# KiCad board cpu-blitter-inputs.kicad_pcb (continued)
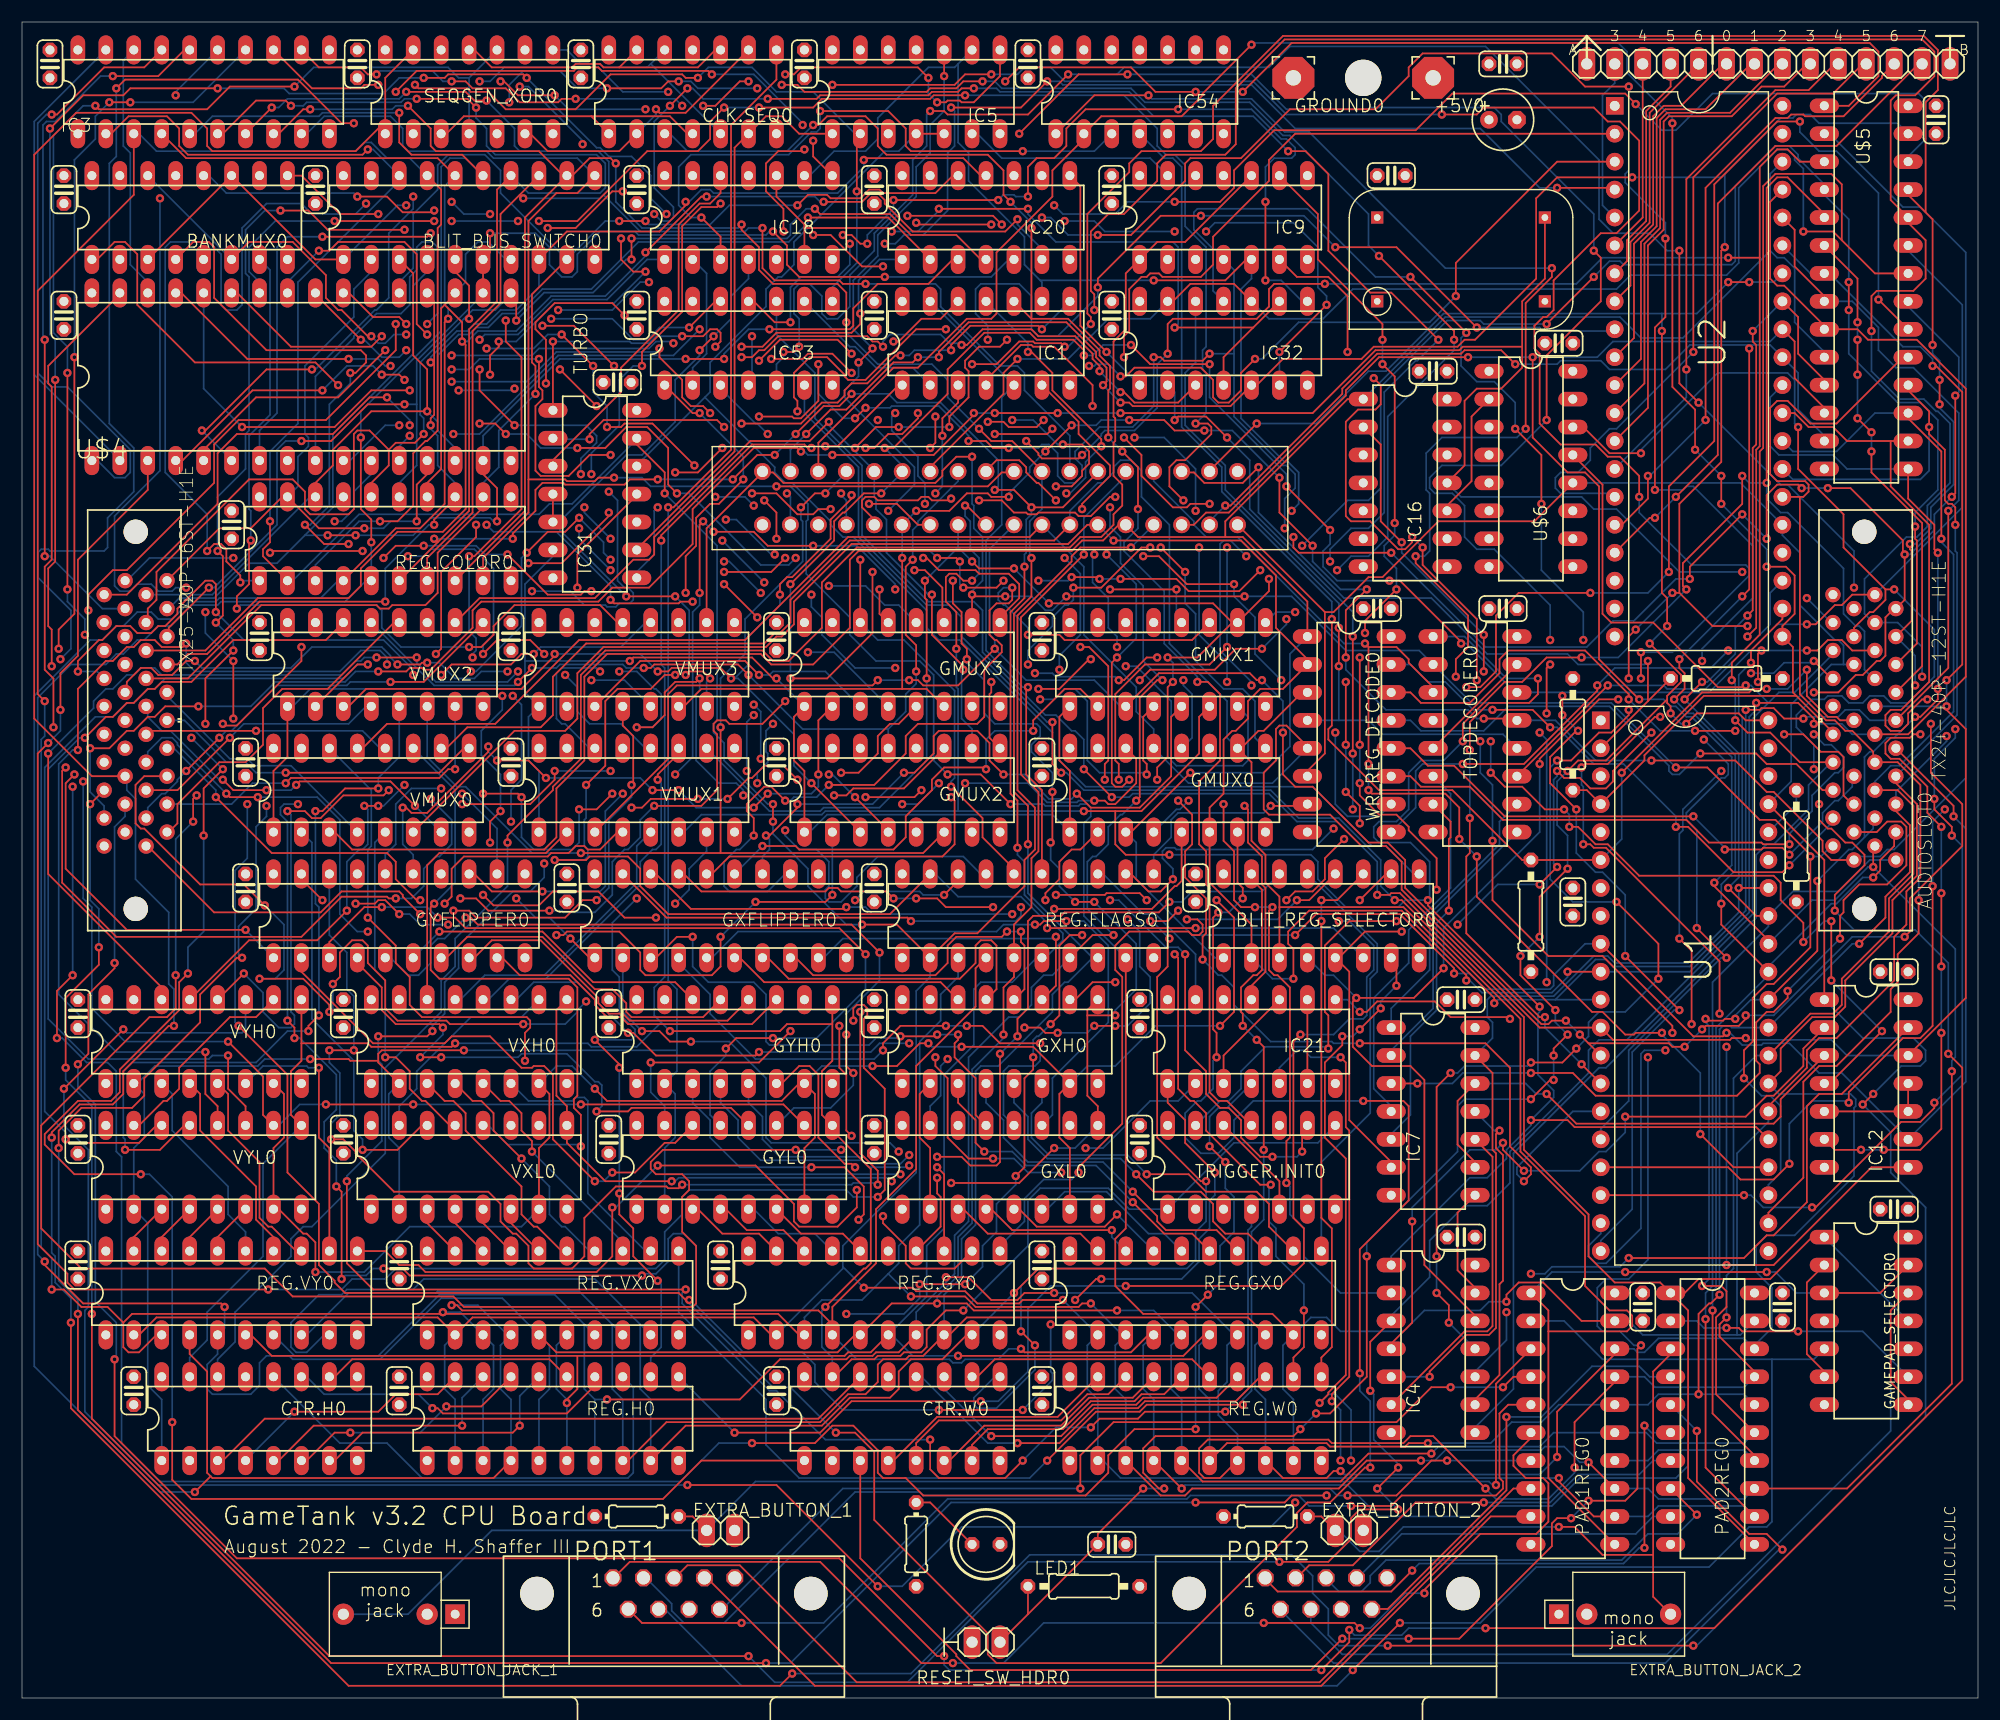
[diagram p0: board, top side]
## Routing (per net, layer and track width the routed paths; a pad name or vN(x,y) marks a point on that pad's centre or on a via; arc(x,y) is an arc through that point) (continued)
N$83: length 24.2
  Bottom w0.152: VXH0.6 46.04,54.29 50.01,54.29 50.32,54.61 51.12,54.61 51.44,54.29 51.44,45.88 56.67,40.64 REG.VX0.12
N$84: length 24.5
  Top w0.152: v1(26.99,57.31) 26.99,50.96 27.94,50.01 REG.VY0.12
  Bottom w0.152: v1(26.99,57.31) 26.03,57.31 25.88,57.47 21.91,57.47 VYH0.6
N$85: length 28.6
  Top w0.152: GXH0.11 93.98,64.77 v1(93.98,69.21)
  Bottom w0.152: v1(93.98,69.21) 93.82,69.06 74.61,69.06 72.87,67.31 GXFLIPPER0.9
N$86: length 25.1
  Bottom w0.152: TOPDECODER0.9 128.27,71.12 128.27,62.71 124.46,58.9 IC7.2
N$87: length 160.8
  Top w0.152: v1(104.3,69.06) 104.14,68.9 104.14,66.52 103.19,65.56 103.19,50.96 107.16,46.99 v1(107.63,46.99) ; v1(105.09,71.6) 104.14,70.64 v1(102.55,70.64) ; v1(90.81,33.34) v1(92.07,32.07)
  In2.Cu w0.152: v1(107,104.62) 107,106.2 106.68,106.52 v1(106.68,107.95) ; IC5.3 81.28,139.7 81.28,136.52 86.36,131.44 86.36,129.54 96.2,119.7 96.2,119.54 v1(101.12,114.62) ; v1(109.54,92.39) 109.22,92.07 109.22,86.36 109.85,85.72 109.85,79.38 105.73,75.25 105.73,74.45 105.09,73.82 v1(105.09,71.6)
  Bottom w0.152: CTR.W0.9 88.42,29.21 86.52,27.31 86.52,26.67 86.84,26.35 88.58,26.35 92.07,29.84 v1(92.07,32.07) ; v1(102.55,70.64) 102.71,70.64 v1(104.3,69.06) ; v1(106.68,107.95) 106.68,111.76 103.82,114.62 v1(101.12,114.62) ; v1(107.63,46.99) 107.63,43.34 106.68,42.39 106.68,39.85 105.89,39.05 92.39,39.05 90.81,37.47 v1(90.81,33.34) ; v1(107,104.62) 107,96.68 109.54,94.14 v1(109.54,92.39)
N$88: length 19.4
  Bottom w0.152: IC9.13 102.55,140.02 89.06,140.02 86.84,142.24 IC5.6
N$89: length 29.1
  Top w0.152: GYFLIPPER0.9 43.66,67.31 45.24,65.72 49.85,65.72 52.07,63.5 52.07,63.02 53.18,61.91 54.45,61.91 55.09,61.28 66.36,61.28 GYH0.11
N$90: length 25.1
  Bottom w0.152: TOPDECODER0.10 134.3,79.69 134.3,77.63 127.95,71.28 127.95,66.2 124.46,62.71 IC7.1
N$94: length 122
  Top w0.152: v1(90.49,60.17) 90.49,61.75 91.44,62.71 91.44,70.64 91.92,71.12 94.46,71.12 94.77,71.44 103.35,71.44 v1(104.3,72.39) ; REG.VY0.11 33.02,40.64 34.29,39.37 36.04,39.37 36.67,38.73 52.23,38.73 53.66,40.16 v1(53.66,44.61) ; v1(88.9,58.58) 88.9,48.74 88.58,48.42 86.2,48.42 85.41,49.21 v1(83.19,49.21) ; v1(57.78,48.42) 66.67,48.42 70.17,44.93 70.17,43.34 70.64,42.86 74.14,42.86 75.88,44.61 v1(75.88,46.2)
  In2.Cu w0.152: v1(83.19,49.21) 82.07,50.32 79.38,50.32 79.06,50.01 79.06,49.37 v1(75.88,46.2)
  Bottom w0.152: v1(57.78,48.42) 53.97,44.61 v1(53.66,44.61) ; v1(90.49,60.17) v1(88.9,58.58) ; v1(104.3,72.39) 105.41,72.39 106.36,73.34 112.71,73.34 BLIT_REG_SELECTOR0.14
N$96: length 39
  Bottom w0.152: BLIT_REG_SELECTOR0.13 123.19,68.58 123.19,66.04 122.56,65.41 122.56,53.18 118.11,48.74 REG.GX0.11
N$98: length 60.3
  Top w0.152: BLIT_REG_SELECTOR0.12 117,72.55 v1(115.89,72.55) ; v1(105.89,70.8) 106.84,70.8 107.31,70.33 107.31,69.69 107,69.37 106.36,69.37 106.04,69.69 100.65,69.69 99.38,68.42 99.38,66.2 100.01,65.56 100.01,52.23 96.04,48.26 v1(96.04,47.78)
  Bottom w0.152: v1(115.89,72.55) 114.14,70.8 v1(105.89,70.8) ; REG.GY0.11 88.9,41.12 91.12,43.34 91.12,45.4 92.87,47.15 95.41,47.15 v1(96.04,47.78)
N$100: length 10.2
  Top w0.152: IC7.8 130.49,44.13 130.49,38.89 132.08,37.31 IC4.13
N$101: length 29.3
  Top w0.152: v1(134.3,51.59) 133.98,51.28 133.98,50.01 134.62,49.37 134.62,37.94 134.3,37.62 134.3,29.37 132.08,27.15 IC4.9
  Bottom w0.152: IC7.11 133.83,51.59 v1(134.3,51.59)
N$102: length 45.7
  Top w0.152: IC7.12 130.49,54.29 130.49,50.32 132.08,48.74 IC7.9 ; IC12.3 159.86,54.45 159.86,52.86 159.23,52.23 141.29,52.23 v1(138.59,54.93)
  Bottom w0.152: IC7.12 136.68,55.88 137.64,54.93 v1(138.59,54.93)
N$103: length 32
  Top w0.152: U2.10 146.53,123.67 146.53,132.24 148.27,133.98 148.27,143.83 149.22,144.78 150.81,144.78 154.62,148.59 VIAPORT0.6
N$104: length 36.8
  Top w0.152: VIAPORT0.7 157.16,148.59 153.03,144.46 149.38,144.46 148.59,143.67 148.59,133.83 147.16,132.4 147.16,121.76 U2.11
N$105: length 47.2
  Top w0.152: v1(151.29,120.81) 151.29,138.11 159.38,146.21 162.4,146.21 164.78,148.59 VIAPORT0.10
  Bottom w0.152: v1(151.29,120.81) 151.29,118.27 U2.14
N$106: length 60.5
  Top w0.152: VIAPORT0.11 167.32,148.59 164.62,145.89 159.54,145.89 151.92,138.27 v1(151.92,122.4)
  Bottom w0.152: v1(151.92,122.4) 144.94,115.41 144.3,115.41 142.56,113.66 142.56,112.55 141.45,111.44 139.86,111.44 139.38,110.97 139.38,110.01 139.86,109.54 144.46,109.54 U2.15
N$107: length 56.6
  Top w0.152: v1(147.8,111.12) 147.8,109.06 145.41,106.68 U2.16 ; VIAPORT0.12 169.07,147.48 169.07,147.32 165.58,143.83 162.08,143.83 161.93,143.99 160.81,143.99 160.5,143.67 159.38,143.67 153.03,137.32 v1(153.03,116.2)
  Bottom w0.152: v1(153.03,116.2) 147.95,111.12 v1(147.8,111.12)
N$108: length 48.9
  Top w0.152: BLIT_REG_SELECTOR0.11 119.54,72.55 v1(118.11,72.55) ; v1(118.11,70.64) 118.11,43.66 119.06,42.7 119.06,31.91 118.11,30.96 REG.W0.11
  Bottom w0.152: v1(118.11,72.55) v1(118.11,70.64)
N$109: length 59.7
  Top w0.152: v1(150.34,109.22) 154.15,113.03 154.15,135.89 159.38,141.13 164.94,141.13 172.4,148.59 VIAPORT0.13 ; v1(148.43,107.31) 147.95,107.31 U2.17
  Bottom w0.152: v1(148.43,107.31) v1(150.34,109.22)
N$110: length 41.6
  Top w0.152: U2.12 147.48,119.54 147.48,132.24 148.91,133.67 148.91,143.51 149.54,144.14 155.26,144.14 159.7,148.59 VIAPORT0.8
N$111: length 114.1
  Top w0.152: v1(87.15,26.99) 75.41,26.99 72.55,24.13 v1(64.77,24.13) ; v1(121.6,72.55) 123.98,74.93 BLIT_REG_SELECTOR0.10 ; v1(116.2,60.32) 115.57,59.69 115.57,43.66 116.52,42.7 116.52,39.53 114.46,37.47 v1(100.33,37.47)
  In1.Cu w0.152: v1(121.6,72.55) v1(119.7,70.64)
  Bottom w0.152: v1(87.15,26.99) 88.74,26.99 91.44,29.69 91.44,35.4 93.5,37.47 v1(100.33,37.47) ; v1(64.77,24.13) REG.H0.11 ; v1(119.7,70.64) 120.65,70.64 122.87,68.42 122.87,66.2 122.24,65.56 122.24,62.07 121.92,61.75 120.65,61.75 119.22,60.32 v1(116.2,60.32)
N$112: length 46.4
  Top w0.152: VIAPORT0.9 162.24,148.59 160.18,146.53 158.12,146.53 155.42,143.83 149.7,143.83 149.22,143.35 149.22,133.51 147.8,132.08 147.8,117.32 U2.13
N$113: length 4.9
  Top w0.152: REG.VY0.19 10.16,41.91 VYL0.3
N$114: length 4.9
  Top w0.152: VYL0.4 12.7,41.91 REG.VY0.18
N$115: length 4.9
  Top w0.152: VYL0.5 15.24,41.91 REG.VY0.17
N$116: length 4.9
  Top w0.152: VYL0.6 17.78,41.91 REG.VY0.16
N$117: length 21.4
  Top w0.152: REG.VX0.15 49.05,40.64 46.83,42.86 46.51,42.86 45.4,43.97 45.4,46.51 40.32,51.59 40.32,53.18 39.21,54.29 38.42,54.29 VXH0.3
N$118: length 21.4
  Top w0.152: v1(45.4,49.05) 42.86,51.59 42.86,53.18 41.75,54.29 40.96,54.29 VXH0.4
  Bottom w0.152: REG.VX0.14 51.59,40.64 49.37,42.86 49.05,42.86 47.94,43.97 47.94,46.51 v1(45.4,49.05)
N$119: length 21
  Top w0.152: v1(46.36,49.69) 46.36,50.64 45.4,51.59 45.4,53.18 44.29,54.29 43.5,54.29 VXH0.5
  Bottom w0.152: v1(46.36,49.69) 54.61,41.43 REG.VX0.13
N$120: length 14.9
  Bottom w0.152: VIAPORT0.2 144.78,146.84 143.67,145.73 143.67,135.73 U2.5
N$121: length 4.9
  Top w0.152: REG.VX0.19 36.83,43.18 VXL0.3
N$122: length 4.9
  Top w0.152: VXL0.4 39.37,43.18 REG.VX0.18
N$123: length 4.9
  Top w0.152: REG.VX0.17 41.91,43.18 VXL0.5
N$124: length 4.9
  Top w0.152: VXL0.6 44.45,43.18 REG.VX0.16
N$125: length 293.4
  Top w0.152: v1(117.95,26.83) 118.75,27.62 118.75,27.78 120.33,29.37 120.33,49.05 118.43,50.96 118.43,57.78 120.01,59.37 v1(120.01,60.17) ; BLIT_REG_SELECTOR0.7 124.94,66.83 v1(124.94,64.77) ; v1(20,67.31) 19.53,67.31 16.19,63.98 16.19,61.44 11.11,56.36 11.11,54.77 10,53.66 5.4,53.66 3.33,51.59 v1(3.33,50.01) ; v1(5.08,34.92) 5.08,26.19 28.1,3.17 v1(67.63,3.17) ; v1(41.27,106.68) 41.27,105.57 38.1,102.39 38.1,95.41 v1(37.62,94.93) ; v1(123.51,62.71) v1(121.6,60.8) ; v1(106.68,17.78) 114.78,17.78 115.41,18.41 v1(118.59,18.41)
  In1.Cu w0.152: v1(37.62,94.93) 37.62,93.98 34.77,91.12 33.97,91.12 24.13,81.28 22.38,81.28 v1(22.22,81.12)
  In2.Cu w0.152: v1(120.81,21.59) 120.81,20.64 v1(118.59,18.41) ; v1(41.27,106.68) 43.81,109.22 REG.COLOR0.11
  Bottom w0.152: v1(123.51,62.71) 123.51,63.34 v1(124.94,64.77) ; v1(106.68,17.78) 84.45,17.78 69.85,3.17 v1(67.63,3.17) ; v1(22.22,81.12) 22.22,80.17 21.27,79.22 21.27,71.75 19.69,70.17 19.69,67.63 v1(20,67.31) ; v1(5.08,34.92) 5.08,36.19 3.33,37.94 v1(3.33,50.01) ; v1(121.6,60.8) 120.97,60.17 v1(120.01,60.17) ; v1(120.81,21.59) 120.81,26.19 119.38,27.62 118.75,27.62 v1(117.95,26.83)
N$126: length 17.6
  Top w0.152: U2.6 147.32,134.62 VIAPORT0.3
N$127: length 21.2
  Top w0.152: VIAPORT0.4 149.86,146.53 147.64,144.3 147.64,134.3 145.89,132.56 145.89,130.65 U2.7
N$128: length 24.7
  Top w0.152: U2.8 146.21,128.43 146.21,132.4 147.95,134.14 147.95,144.14 VIAPORT0.5
N$129: length 227.2
  Top w0.152: v1(167.16,49.85) 164.78,49.85 IC12.6 ; v1(169.23,49.85) 172.56,49.85 174.47,51.75 v1(174.47,60.48) ; v1(69.22,122.4) 70.17,122.4 v1(70.64,122.87) ; v1(174.47,79.22) 173.2,80.49 173.2,82.87 170.66,85.41 169.86,85.41 169.39,85.88 169.39,86.84 169.86,87.31 171.61,87.31 171.93,87.63 v1(172.56,87.63) ; v1(150.65,131.6) 150.65,119.54 v1(152.4,117.79) ; v1(174.47,66.52) v1(174.47,73.18) ; v1(82.55,144.3) 83.82,144.3 84.14,143.99 91.44,143.99 v1(95.09,147.64)
  In1.Cu w0.152: v1(172.56,87.63) 171.45,88.74 171.45,89.06 169.39,91.12 169.39,98.11 v1(166.53,100.96)
  Bottom w0.152: v1(70.64,122.87) 70.64,125.41 70.17,125.89 70.17,128.11 70.64,128.59 71.6,128.59 72.71,127.48 72.71,125.89 73.18,125.41 74.14,125.41 75.25,126.52 75.25,129.38 77.47,131.6 77.47,133.19 80.96,136.68 80.96,139.86 82.23,141.13 82.23,143.99 v1(82.55,144.3) ; v1(174.47,73.18) v1(174.47,79.22) ; v1(167.16,49.85) v1(169.23,49.85) ; v1(166.53,100.96) 166.53,104.3 160.5,110.33 159.86,110.33 v1(152.4,117.79) ; v1(95.09,147.64) 99.54,147.64 100.17,148.27 113.35,148.27 115.25,150.18 133.03,150.18 143.35,139.86 143.35,134.46 144.62,133.19 147.95,133.19 149.54,131.6 v1(150.65,131.6) ; v1(174.47,60.48) v1(174.47,66.52) ; v1(69.22,122.4) 69.22,121.92 68.58,121.28 IC53.5
N$130: length 6.7
  Top w0.152: LED1.A 82.55,17.78 R16.2
N$131: length 11.5
  Top w0.152: GAMEPAD_SELECTOR0.8 171.45,27.15 169.86,28.73 169.86,35.24 GAMEPAD_SELECTOR0.12
N$132: length 93.8
  Top w0.152: v1(161.45,33.34) 156.37,33.34 156.05,33.66 v1(154.94,33.66)
  Bottom w0.152: 169.86,30.8 167.32,33.34 v1(161.45,33.34) ; 169.86,30.8 GAMEPAD_SELECTOR0.9 ; 169.86,30.8 169.86,24.29 149.54,3.97 120.01,3.97 117.16,6.83 PORT2.7 ; v1(154.94,33.66) 152.88,33.66 152.24,34.29 PAD2REG0.2
N$133: length 11.5
  Top w0.152: GAMEPAD_SELECTOR0.2 162.24,37.78 162.24,31.27 163.83,29.69 GAMEPAD_SELECTOR0.6
N$134: length 153.6
  Top w0.152: v1(125.25,6.83) v1(120.97,2.54)
  Bottom w0.152: 159.07,30.8 143.67,30.8 140.18,34.29 PAD1REG0.2 ; 159.07,30.8 162.88,30.8 GAMEPAD_SELECTOR0.5 ; 159.07,30.8 159.07,16.03 158.59,15.56 157,15.56 153.35,11.91 137.64,11.91 132.56,6.83 v1(125.25,6.83) ; PORT1.7 57.94,7.94 58.58,7.94 65.41,1.11 119.54,1.11 v1(120.97,2.54)
N$135: length 84.4
  Top w0.152: v1(134.62,28.26) 135.57,29.21 PAD1REG0.4 ; v1(129.86,28.26) 128.11,28.26 124.94,25.08 99.22,25.08 96.2,22.07 v1(96.2,19.05)
  Bottom w0.152: PORT1.9 63.5,7.94 74.61,19.05 v1(96.2,19.05) ; v1(129.86,28.26) v1(134.62,28.26)
N$136: length 96
  Top w0.152: v1(65.41,6.83) 56.36,6.83 55.25,7.94 PORT1.6 ; PAD1REG0.5 135.1,26.67 134.3,25.88 134.3,20 134.62,19.69 134.62,19.05 133.98,18.41 125.41,18.41 124.46,17.46 v1(120.81,17.46)
  Bottom w0.152: v1(65.41,6.83) 72.87,6.83 84.14,18.1 105.89,18.1 106.2,18.41 116.05,18.41 117,17.46 v1(120.81,17.46)
N$137: length 106.3
  Top w0.152: v1(112.87,6.83) 121.13,6.83 v1(121.6,6.35) ; PORT1.1 53.82,10.95 55.25,12.38 72.55,12.38 81.76,3.17 v1(84.61,3.17) ; PAD1REG0.6 137.16,23.65 135.57,22.07 135.57,21.11 136.68,20 138.27,20 138.75,19.53 138.75,16.03 137.64,14.92 132.56,14.92 127.48,9.84 v1(127.48,9.53)
  Bottom w0.152: v1(112.87,6.83) 92.87,6.83 89.22,3.17 v1(84.61,3.17) ; v1(121.6,6.35) 122.56,6.35 125.73,9.53 v1(127.48,9.53)
N$138: length 89.7
  Top w0.152: v1(120.49,18.41) 124.94,18.41 128.11,21.59 v1(129.54,21.59)
  Bottom w0.152: v1(129.54,21.59) PAD1REG0.7 ; PORT1.2 56.52,10.79 56.83,10.79 59.05,8.57 59.05,7.94 60.17,6.83 63.82,6.83 75.72,18.73 81.6,18.73 81.91,18.41 105.73,18.41 106.36,19.05 118.9,19.05 119.54,18.41 v1(120.49,18.41)
N$139: length 90.1
  Top w0.152: PAD1REG0.8 135.57,19.05 117.95,1.43 75.88,1.43 65.25,12.06 60.48,12.06 59.37,10.95 PORT1.3
N$140: length 85.6
  Top w0.152: PORT1.4 62.07,10.79 62.39,10.79 72.07,1.11 118.11,1.11 133.51,16.51 PAD1REG0.9
N$141: length 50.4
  Top w0.152: v1(126.37,11.59) 124.46,9.68 114.14,9.68 113.03,10.79 PORT2.1 ; v1(147.48,13.65) v1(147.48,24.76)
  Bottom w0.152: v1(147.48,24.76) 148.11,24.13 PAD2REG0.6 ; v1(126.37,11.59) 127,12.22 145.57,12.22 147,13.65 v1(147.48,13.65)
N$142: length 38.5
  Top w0.152: PORT2.2 115.89,10.95 117,12.06 120.97,12.06 126.68,17.78 v1(132.87,17.78)
  Bottom w0.152: v1(132.87,17.78) 138.91,17.78 141.45,20.32 147,20.32 148.27,21.59 PAD2REG0.7
N$143: length 40.9
  Top w0.152: v1(152.24,16.67) PAD2REG0.8
  Bottom w0.152: v1(152.24,16.67) 150.5,14.92 147.8,14.92 145.41,12.54 123.98,12.54 122.56,11.11 122.56,10.48 121.76,9.68 119.7,9.68 118.59,10.79 PORT2.3
N$144: length 30.9
  Bottom w0.152: PAD2REG0.9 148.27,16.51 146.69,14.92 125.41,14.92 121.44,10.95 PORT2.4
N$145: length 40.6
  Top w0.152: v1(134.94,25.56) 134.94,18.89 124.14,8.1 122.71,8.1 PORT2.9
  Bottom w0.152: v1(134.94,25.56) 138.11,25.56 142.72,30.16 147,30.16 147.95,29.21 PAD2REG0.4
N$146: length 70.3
  Top w0.152: v1(160.02,13.49) 158.59,14.92 157,14.92 152.24,19.69 v1(152.24,24.29)
  Bottom w0.152: PORT2.6 114.46,7.94 119.22,3.17 149.38,3.17 159.7,13.49 v1(160.02,13.49) ; v1(152.24,24.29) PAD2REG0.5
N$147: length 126.7
  Top w0.152: R7.2 60.96,16.51 EXTRA_BUTTON_1.1 ; PAD1REG0.3 133.98,28.57 v1(133.98,19.37)
  Bottom w0.152: v1(133.98,19.37) 133.67,19.37 133.35,19.69 66.67,19.69 EXTRA_BUTTON_1.1 42.7,15.24 35.08,7.62 EXTRA_BUTTON_JACK_1.WAV
N$148: length 60.2
  Top w0.152: EXTRA_BUTTON_2.1 118.11,16.51 R6.2 ; 148.27,13.02 148.27,29.69 149.86,31.27 PAD2REG0.3 ; 148.27,13.02 148.27,9.21 EXTRA_BUTTON_JACK_2.WAV ; 148.27,13.02 143.67,13.02 141.13,15.56 v1(139.7,15.56)
  Bottom w0.152: v1(139.7,15.56) 125.57,15.56 123.35,13.34 121.6,13.34 119.7,15.24 EXTRA_BUTTON_2.1
N$149: length 60.1
  Top w0.152: IC12.13 165.42,54.93 163.35,54.93 162.24,53.82 162.24,45.09 159.23,42.07 158.59,42.07 156.53,40 v1(146.05,40)
  In2.Cu w0.152: v1(134.94,35.08) 135.89,36.04 135.89,37.31 v1(137.16,38.58)
  Bottom w0.152: v1(137.16,38.58) 138.43,38.58 139.06,39.21 145.26,39.21 v1(146.05,40) ; v1(134.94,35.08) 134.94,32.54 132.08,29.69 IC4.10
N$150: length 34.6
  Top w0.152: v1(102.23,47.62) 106.04,47.62 107.63,46.04 112.24,46.04 113.35,44.93 113.35,42.86 REG.GX0.12
  Bottom w0.152: v1(102.23,47.62) 100.49,49.37 93.34,49.37 91.76,50.96 91.76,53.18 92.71,54.13 GXH0.6
N$151: length 32.5
  Top w0.152: v1(75.72,48.26) 75.41,48.58 74.77,48.58 72.39,50.96 72.39,56.67 71.6,57.47 70.64,57.47 69.06,55.88 GYH0.6 ; v1(78.26,43.81) 78.26,43.18 80.33,41.12 80.33,39.53 80.8,39.05 84.77,39.05 REG.GY0.12
  In1.Cu w0.152: v1(78.26,43.81) 77.15,44.93 77.15,45.88 75.72,47.31 v1(75.72,48.26)
N$152: length 166.8
  Top w0.152: v1(135.73,115.41) 138.11,113.03 v1(138.11,108.58) ; v1(128.59,36.83) 129.7,35.72 v1(129.7,34.13) ; v1(146.05,89.85) 146.05,89.38 144.46,87.79 143.35,87.79 140.81,85.25 v1(139.54,85.25) ; v1(129.86,56.83) 128.59,55.56 v1(128.59,40.16) ; v1(144.94,72.39) 148.75,68.58 v1(148.75,65.41) ; v1(137.16,57.78) 140.02,57.78 v1(141.29,59.05) ; v1(126.21,129.22) v1(131.29,124.14)
  In2.Cu w0.152: v1(141.92,96.2) 144.78,93.34 144.78,91.76 144.46,91.44 144.46,90.49 144.78,90.17 145.73,90.17 v1(146.05,89.85)
  Bottom w0.152: v1(126.21,129.22) 123.03,129.22 116.84,135.41 106.84,135.41 106.52,135.1 106.52,133.51 108.27,131.76 108.27,127.95 IC32.11 ; v1(148.75,65.41) 145.73,62.39 143.35,62.39 142.4,61.44 142.4,60.17 v1(141.29,59.05) ; v1(129.7,34.13) IC4.11 ; v1(135.73,115.41) 135.73,117.79 133.83,119.7 132.24,119.7 130.81,121.13 130.81,123.67 v1(131.29,124.14) ; v1(141.92,96.2) 141.92,98.74 138.11,102.55 v1(138.11,108.58) ; v1(128.59,40.16) v1(128.59,36.83) ; v1(137.16,57.78) 136.84,57.47 131.13,57.47 130.49,56.83 v1(129.86,56.83) ; v1(144.94,72.39) 140.97,72.39 138.91,74.45 138.91,84.61 v1(139.54,85.25)
N$153: length 10.2
  Top w0.152: IC12.11 IC12.10 IC12.5
N$154: length 96.7
  Top w0.152: v1(132.87,96.68) v1(132.87,93.34) ; IC12.4 164.31,55.88 v1(169.07,60.64) ; v1(140.65,79.22) 141.45,79.22 143.03,77.63 144.15,77.63 147,74.77 159.23,74.77 159.86,74.14 159.86,72.55 161.93,70.48 v1(161.93,68.74) ; IC16.2 123.51,113.98 123.51,107 v1(125.41,105.09) ; v1(164.47,70.64) v1(164.47,65.25) ; v1(133.51,84.14) 134.78,82.87 136.37,82.87 138.43,80.8 v1(140.18,80.8)
  In1.Cu w0.152: v1(132.87,93.34) 134.3,91.92 134.3,89.53 133.51,88.74 v1(133.51,86.99)
  Bottom w0.152: v1(132.87,96.68) 125.41,104.14 v1(125.41,105.09) ; v1(140.18,80.8) 140.65,80.33 v1(140.65,79.22) ; v1(164.47,65.25) v1(169.07,60.64) ; v1(164.47,70.64) 163.83,70.64 v1(161.93,68.74) ; v1(133.51,86.99) v1(133.51,84.14)
N$160: length 31.1
  Top w0.152: VXL0.13 38.89,52.07 36.67,54.29 36.35,54.29 35.24,55.4 35.24,56.99 33.97,58.26 v1(33.02,58.26)
  Bottom w0.152: v1(33.02,58.26) 33.02,65.25 32.07,66.2 32.07,77.79 VMUX0.5
N$161: length 61.2
  Top w0.152: v1(37.47,72.23) 37.15,71.91 37.15,66.2 37.94,65.41 49.69,65.41 50.48,64.61 50.48,54.77 50.16,54.45 50.16,53.66 50.8,53.02 v1(50.8,50.16)
  Bottom w0.152: VXL0.12 42.39,52.07 44.13,50.32 50.64,50.32 v1(50.8,50.16) ; v1(37.47,72.23) 39.37,74.14 39.37,82.55 VMUX0.11
N$162: length 48.4
  Top w0.152: v1(45.72,57.94) 45.72,60.48 46.2,60.96 46.2,61.59 45.88,61.91 36.35,61.91 35.24,63.02 35.24,65.56 33.97,66.83 33.97,68.42 v1(31.43,70.96)
  In1.Cu w0.152: VXL0.11 44.45,54.61 45.72,55.88 v1(45.72,57.94)
  Bottom w0.152: VMUX0.14 31.75,82.55 31.75,77.47 31.43,77.15 v1(31.43,70.96)
N$163: length 26.2
  Top w0.152: VXH0.14 36.83,75.72 37.94,76.83 47.62,76.83 VMUX1.2
N$164: length 26
  Bottom w0.152: VMUX1.5 55.88,77.47 55.88,74.14 47.47,65.72 42.07,65.72 39.85,63.5 VXH0.13
N$165: length 32.9
  Top w0.152: VMUX1.11 59.69,85.88 57.78,83.98 v1(57.78,83.5)
  Bottom w0.152: VXH0.12 42.39,63.5 44.29,65.41 47.62,65.41 56.2,73.98 56.2,76.04 57.31,77.15 57.63,77.15 58.1,77.63 58.1,83.18 v1(57.78,83.5)
N$167: length 67.7
  Top w0.152: v1(26.99,62.07) 26.03,61.12 v1(26.03,60.64) ; VYL0.13 14.76,52.07 12.54,49.85 v1(9.37,49.85) ; v1(26.67,80.64) 27.3,80.64 29.37,82.71 v1(32.38,82.71)
  Bottom w0.152: v1(32.38,82.71) 32.38,83.66 34.29,85.57 VMUX2.5 ; v1(26.99,62.07) 26.99,71.91 26.67,72.23 v1(26.67,80.64) ; v1(9.37,49.85) 9.37,50.8 9.21,50.96 9.21,56.99 10,57.78 21.27,57.78 24.13,60.64 v1(26.03,60.64)
N$168: length 90.8
  Top w0.152: v1(5.08,86.2) 5.08,91.76 7.62,94.3 8.25,94.3 9.52,95.57 10.16,95.57 10.8,96.2 12.06,96.2 12.7,95.57 14.61,95.57 v1(14.92,95.88) ; v1(16.67,58.74) 16.67,54.93 17.78,53.82 VYL0.12
  In1.Cu w0.152: v1(33.18,93.98) 36.83,97.63 VMUX2.11
  Bottom w0.152: v1(5.08,86.2) 4.6,86.2 3.33,84.93 3.33,63.98 8.57,58.74 v1(16.67,58.74) ; v1(14.92,95.88) 14.92,94.14 15.72,93.34 28.89,93.34 30.8,95.25 32.54,95.25 33.18,94.61 v1(33.18,93.98)
N$169: length 80.1
  Top w0.152: VYL0.11 20.32,53.82 18.73,55.4 v1(18.73,58.42) ; v1(5.72,87.31) 7.62,89.22 8.25,89.22 9.52,90.49 10.16,90.49 11.43,91.76 12.06,91.76 12.7,92.39 15.4,92.39 19.21,96.2 27.62,96.2 VMUX2.14
  Bottom w0.152: v1(5.72,87.31) 5.24,87.31 2.38,84.45 2.38,61.75 6.03,58.1 16.99,58.1 17.3,58.42 v1(18.73,58.42)
N$170: length 81.2
  Top w0.152: v1(35.88,94.61) v1(32.23,94.61) ; v1(2.38,85.88) 2.38,74.93 12.7,64.61 VYH0.14
  In1.Cu w0.152: v1(45.08,93.34) 45.72,93.34 48.89,90.17 VMUX3.2
  Bottom w0.152: v1(2.38,85.88) 6.51,90.01 6.51,90.65 7.62,91.76 8.25,91.76 9.52,93.03 10.16,93.03 10.8,93.66 12.06,93.66 12.7,93.03 29.05,93.03 30.32,94.3 30.8,94.3 31.11,94.61 v1(32.23,94.61) ; v1(45.08,93.34) 44.13,92.39 37.62,92.39 35.88,94.14 v1(35.88,94.61)
N$171: length 60
  Top w0.152: v1(32.38,81.12) v1(31.11,81.12) ; VYH0.13 20.64,68.9 26.83,68.9 v1(29.53,71.6)
  In2.Cu w0.152: v1(34.77,83.03) 36.04,83.03 41.75,88.74 43.97,88.74 47.62,92.39 51.59,92.39 v1(51.75,92.55)
  Bottom w0.152: v1(34.77,83.03) 32.86,81.12 v1(32.38,81.12) ; VMUX3.5 54.77,92.55 v1(51.75,92.55) ; v1(31.11,81.12) 31.43,80.8 31.43,77.63 30.96,77.15 30.64,77.15 29.53,76.04 v1(29.53,71.6)
N$172: length 88.4
  Top w0.152: v1(45.88,104.14) 47.78,106.04 49.37,106.04 v1(50.64,107.31) ; v1(20.16,65.88) VYH0.12 ; v1(33.34,82.55) 32.86,82.07 29.21,82.07 27.15,80.01 26.35,80.01 25.72,80.64 v1(24.13,80.64)
  In1.Cu w0.152: VMUX3.11 58.58,97.79 54.93,101.44 54.93,102.08 v1(53.5,103.5)
  In2.Cu w0.152: v1(33.34,82.55) 37.15,86.36 37.15,89.22 40.8,92.87 v1(40.8,93.34)
  Bottom w0.152: v1(40.8,93.34) 41.27,93.34 45.4,97.47 45.4,103.66 v1(45.88,104.14) ; v1(20.16,65.88) 21.91,64.13 21.91,62.39 23.34,60.96 24.45,60.96 24.77,61.28 24.77,62.07 24.45,62.39 24.45,80.33 v1(24.13,80.64) ; v1(53.5,103.5) 52.86,104.14 52.86,105.09 v1(50.64,107.31)
N$173: length 50.1
  Top w0.152: GXFLIPPER0.19 58.58,70.96 80.49,70.96 v1(80.8,70.64) ; GMUX0.2 96.2,77.15 95.41,77.15 94.3,76.04 94.3,74.45 93.03,73.18 v1(93.03,72.55)
  In1.Cu w0.152: v1(90.81,71.91) 92.39,71.91 v1(93.03,72.55)
  Bottom w0.152: v1(80.8,70.64) 90.33,70.64 90.81,71.12 v1(90.81,71.91)
N$174: length 55.6
  Top w0.152: GMUX0.5 105.41,74.29 104.93,73.82 104.78,73.82 102.71,71.75 v1(93.82,71.75) ; GXFLIPPER0.18 57.63,74.93 60.8,71.75 74.77,71.75 v1(74.93,71.91)
  In1.Cu w0.152: v1(90.01,71.28) 93.34,71.28 v1(93.82,71.75)
  Bottom w0.152: v1(74.93,71.91) 76.68,71.91 77.31,71.28 v1(90.01,71.28)
N$175: length 61.2
  Top w0.152: v1(79.22,72.71) 78.58,73.34 74.45,73.34 74.14,73.66 73.34,73.66 73.03,73.34 61.75,73.34 60.17,74.93 GXFLIPPER0.17 ; v1(93.98,73.02) 98.43,73.02 98.58,73.18 101.6,73.18 v1(102.23,72.55) ; v1(81.28,72.71) 83.19,72.71 83.98,71.91 v1(88.26,71.91)
  In1.Cu w0.152: GMUX0.11 107.95,84.45 106.68,83.18 106.68,78.1 103.98,75.41 103.98,74.29 v1(102.23,72.55) ; v1(88.26,71.91) 89.85,71.91 91.12,73.18 93.82,73.18 v1(93.98,73.02)
  Bottom w0.152: v1(81.28,72.71) v1(79.22,72.71)
N$176: length 50.7
  Top w0.152: v1(84.45,81.91) 84.77,81.6 84.77,77.63 83.66,76.52 64.29,76.52 62.71,74.93 GXFLIPPER0.16 ; GMUX0.14 101.28,85.41 101.28,83.18 99.38,81.28 98.74,81.28 98.43,81.6 v1(97.47,81.6)
  In2.Cu w0.152: v1(85.72,83.18) v1(84.45,81.91)
  Bottom w0.152: v1(97.47,81.6) 96.04,81.6 95.88,81.44 93.19,81.44 91.44,83.18 v1(85.72,83.18)
N$177: length 44.9
  Top w0.152: GMUX1.2 96.2,91.76 94.77,91.76 91.92,88.9 v1(91.92,87.95) ; v1(67.31,77.47) 70.33,77.47 70.64,77.15 79.22,77.15 80.33,78.26 80.33,80.17 82.71,82.55 82.71,83.5 83.82,84.61 87.47,84.61 v1(87.63,84.45)
  Bottom w0.152: v1(87.63,84.45) 87.63,87.15 88.42,87.95 v1(91.92,87.95) ; v1(67.31,77.47) GXFLIPPER0.15
N$178: length 57.9
  Top w0.152: v1(89.22,83.98) 87.95,85.25 87.95,86.84 86.84,87.95 83.34,87.95 82.87,87.47 82.87,85.88 81.12,84.14 v1(80.17,84.14) ; GMUX1.5 104.46,89.22 104.46,83.82 101.6,80.96 97.16,80.96 v1(95.88,82.23) ; v1(67.63,78.42) 67.94,78.42 70.48,80.96 v1(70.48,81.28)
  Bottom w0.152: v1(70.48,81.28) 77.31,81.28 v1(80.17,84.14) ; v1(89.22,83.98) 91.12,83.98 93.34,81.76 95.41,81.76 v1(95.88,82.23) ; v1(67.63,78.42) 67.94,78.1 67.94,77.15 67.31,76.52 GXFLIPPER0.14
N$179: length 81.1
  Top w0.152: v1(73.34,83.03) 77.47,83.03 80.33,85.88 80.33,87.47 81.44,88.58 86.84,88.58 87.47,89.22 87.47,93.5 89.06,95.09 89.06,95.73 88.58,96.2 88.42,96.2 87.95,96.68 87.95,98.9 88.58,99.54 89.69,99.54 90.01,99.85 v1(90.01,100.96) ; GMUX1.11 106.36,96.2 94.77,96.2 94.3,96.68 v1(91.44,96.68) ; v1(69.37,81.6) 68.1,82.87 67.47,82.87 65.88,81.28 65.88,80.64 66.52,80.01 v1(66.52,78.42)
  Bottom w0.152: GXFLIPPER0.13 69.37,74.93 67.79,73.34 64.29,73.34 63.82,73.82 63.82,76.04 64.93,77.15 65.25,77.15 v1(66.52,78.42) ; v1(73.34,83.03) 72.23,81.91 70.17,81.91 69.85,81.6 v1(69.37,81.6) ; v1(90.01,100.96) 89.22,100.96 88.74,100.49 88.74,99.85 89.22,99.38 89.38,99.38 91.44,97.31 v1(91.44,96.68)
N$180: length 64.1
  Top w0.152: v1(34.29,71.28) 33.02,72.55 32.38,72.55 32.07,72.23 v1(30.32,72.23) ; GYFLIPPER0.19 25.4,74.45 v1(27.3,72.55) ; v1(66.67,72.39) 73.03,72.39 v1(73.66,73.02) ; v1(63.5,69.21) 63.5,66.52 62.71,65.72 56.67,65.72 56.2,66.2 56.2,67.79 54.29,69.69 49.53,69.69 49.21,69.37 v1(48.58,69.37)
  In1.Cu w0.152: v1(30.32,72.23) 30,72.55 v1(27.3,72.55) ; v1(48.58,69.37) 47.62,70.33 v1(38.73,70.33)
  Bottom w0.152: v1(34.29,71.28) 35.24,71.28 36.19,70.33 v1(38.73,70.33) ; GMUX2.2 v1(73.66,73.02) ; v1(66.67,72.39) v1(63.5,69.21)
N$181: length 124.8
  Top w0.152: v1(28.1,50.8) 29.21,50.8 30.32,49.69 30.32,49.53 33.81,46.04 42.39,46.04 43.5,44.93 43.5,43.34 44.61,42.23 44.93,42.23 46.04,41.12 46.04,39.53 46.51,39.05 50.01,39.05 51.12,40.16 51.12,43.66 53.97,46.51 58.58,46.51 58.74,46.35 59.69,46.35 v1(60.01,46.67) ; v1(77.79,46.67) 77.79,47.94 76.2,49.53 v1(76.2,62.39) ; v1(27.94,58.9) v1(30.16,58.9)
  In2.Cu w0.152: v1(76.2,62.39) 76.2,65.09 79.22,68.1 79.22,71.75 81.28,73.82 GMUX2.5
  Bottom w0.152: GYFLIPPER0.18 27.94,69.37 29.53,67.79 29.53,64.45 30.16,63.82 v1(30.16,58.9) ; v1(28.1,50.8) 28.1,52.23 28.89,53.02 28.89,56.83 27.94,57.78 v1(27.94,58.9) ; v1(77.79,46.67) 77.63,46.83 75.56,46.83 75.41,46.67 v1(60.01,46.67)
